# Altium PCB FX_PCB.PcbDoc (part 3 of 7)
Units mil, origin at the board's own origin, x right, y up, seen from the top; angles counter-clockwise.
Board outline 5533 x 3907 mil, 2 copper layers (Top Layer, Bottom Layer); 117 components, 100 nets, 439 pads, 176 vias.
Unrouted connection lines stored in the file: 106.
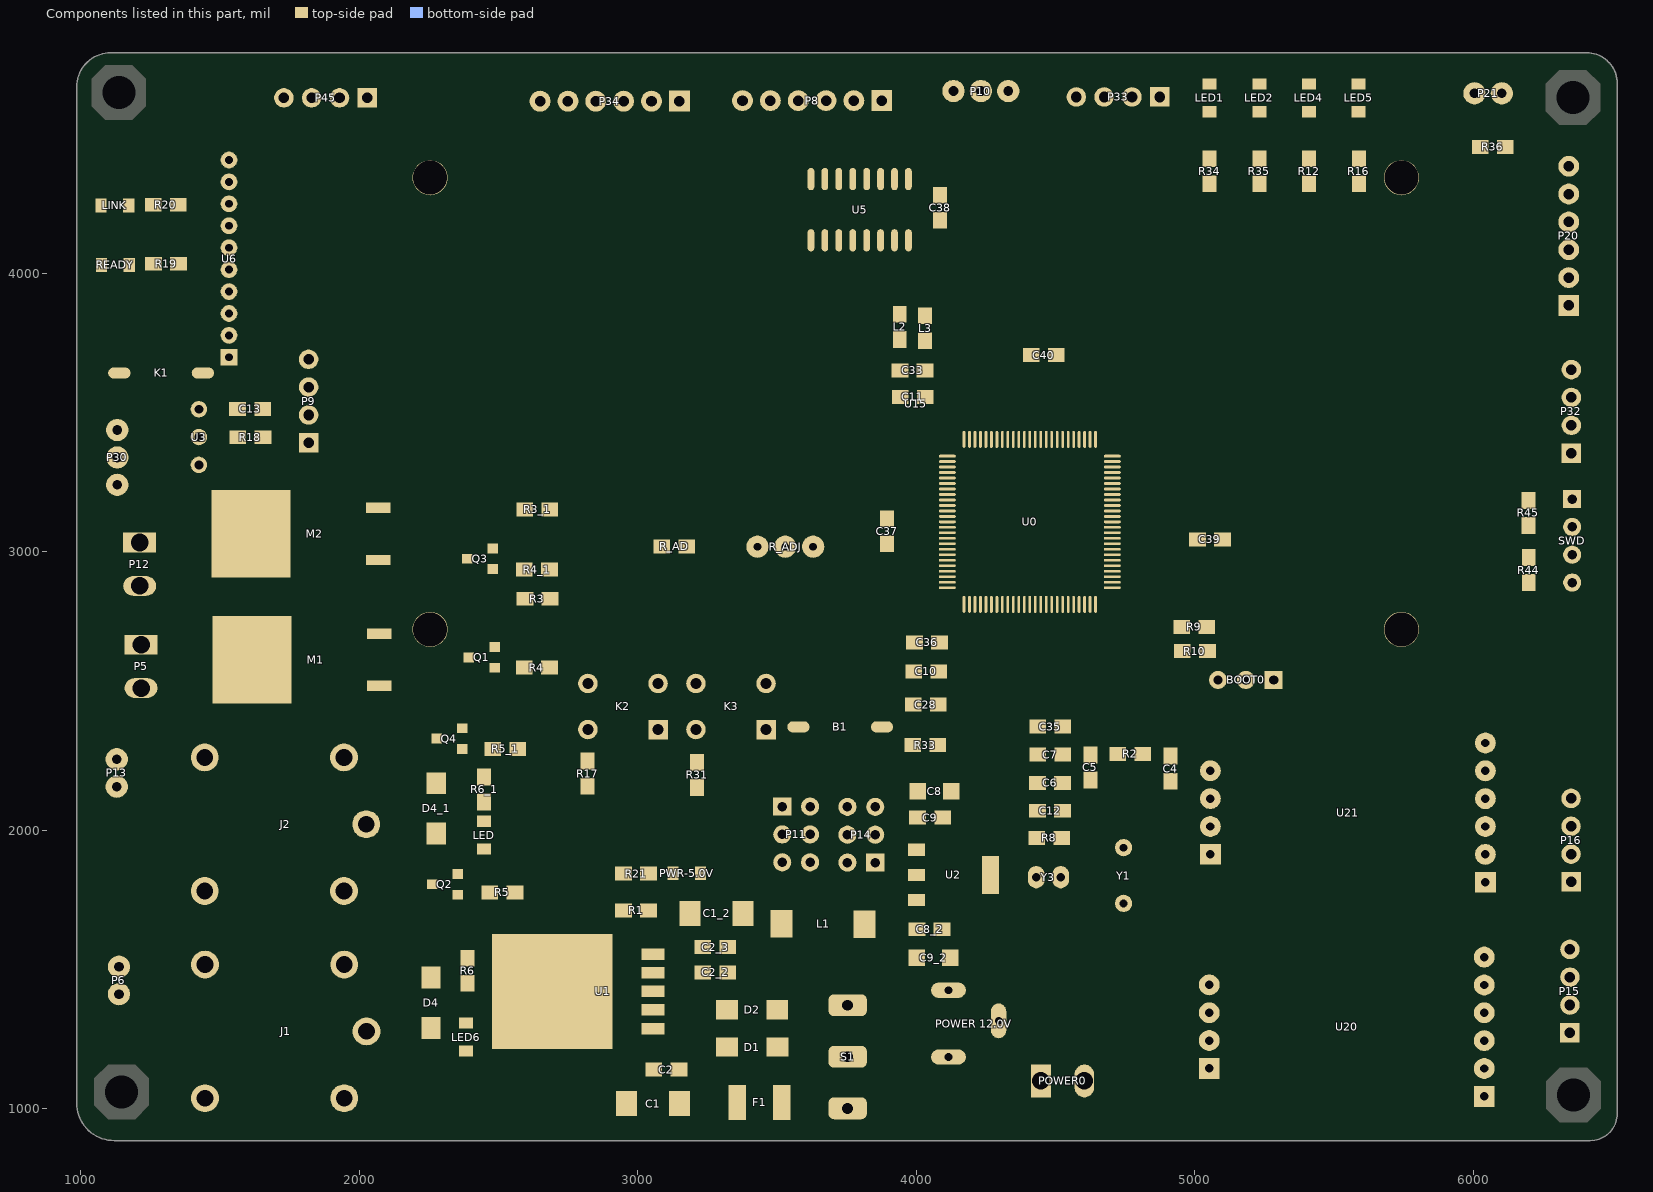
[diagram p3: the components of this part, seen from the top]

## Via types
v1: diameter 30, hole 15, Top Layer to Bottom Layer, 104 vias
v2: diameter 40, hole 18, Top Layer to Bottom Layer, 62 vias
v3: diameter 50, hole 28, Top Layer to Bottom Layer, 7 vias
v4: diameter 50, hole 23, Top Layer to Bottom Layer, 3 vias

## Nets (pads, with @x,y where several pads share a name; then routed paths per layer and width w, separated by ;. In a path a pad name is that pad's centre, name@x,y a point inside that pad or via, vN(x,y) a via of type N, cw(c..) or ccw(c..) an arc to the next point about the centre after c; other vN are vias at no path point) (continued)
copper on no net: (continued)
  Top Layer w0.85: 2903.55,3781.55 2908.65,3781.55 ; 2903.55,3824.05 2909.5,3824.05 ; 2904.4,3463.65 2909.5,3463.65 ; 2904.4,3464.5 2908.65,3464.5 ; 2904.4,3503.6 2910.35,3503.6 ; 2904.4,3568.2 2909.5,3568.2 ; 2904.4,3569.05 2909.5,3569.05 ; 2904.4,3598.8 2909.5,3598.8 ; 2904.4,3599.65 2908.65,3599.65 ; 2904.4,3710.15 2908.65,3710.15 ; 2904.4,3711 2909.5,3711 ; 2904.4,3742.45 2908.65,3742.45 ; 2904.4,3743.3 2909.5,3743.3 ; 2904.4,3782.4 2909.5,3782.4 ; 2904.4,3783.25 2909.5,3783.25 ; 2904.4,3824.9 2910.35,3824.9 ; 2904.4,3825.75 2910.35,3825.75 ; 2905.25,3461.95 3043.8,3461.95 ; 2905.25,3462.8 2910.35,3462.8 ; 2905.25,3501.9 2911.2,3501.9 ; 2905.25,3502.75 2911.2,3502.75 ; 2905.25,3566.5 2910.35,3566.5 ; 2905.25,3567.35 2910.35,3567.35 ; 2905.25,3597.1 2910.35,3597.1 ; 2905.25,3597.95 2910.35,3597.95 ; 2905.25,3711.85 2909.5,3711.85 ; 2905.25,3712.7 2910.35,3712.7 ; 2905.25,3744.15 2910.35,3744.15 ; 2905.25,3745 2910.35,3745 ; 2905.25,3784.1 2910.35,3784.1 ; 2905.25,3784.95 2910.35,3784.95 ; 2905.25,3826.6 2911.2,3826.6 ; 2906.1,3461.1 3049.75,3461.1 ; 2906.1,3501.05 2912.05,3501.05 ; 2906.1,3565.65 2911.2,3565.65 ; 2906.1,3596.25 2911.2,3596.25 ; 2906.1,3713.55 2911.2,3713.55 ; 2906.1,3714.4 2911.2,3714.4 ; 2906.1,3745.85 2911.2,3745.85 ; 2906.1,3785.8 2911.2,3785.8 ; 2906.1,3827.45 2911.2,3827.45 ; 2906.1,3828.3 2952,3828.3 ; 2906.95,3459.4 3041.25,3459.4 ; 2906.95,3460.25 3043.8,3460.25 ; 2906.95,3499.35 2912.9,3499.35 ; 2906.95,3500.2 2912.05,3500.2 ; 2906.95,3563.95 2912.05,3563.95 ; 2906.95,3564.8 2912.05,3564.8 ; 2906.95,3594.55 2912.05,3594.55 ; 2906.95,3595.4 2912.05,3595.4 ; 2906.95,3715.25 2912.05,3715.25 ; 2906.95,3746.7 2911.2,3746.7 ; 2906.95,3747.55 2912.05,3747.55 ; 2906.95,3786.65 2911.2,3786.65 ; 2906.95,3787.5 2912.05,3787.5 ; 2906.95,3829.15 2957.95,3829.15 ; 2907.8,3458.55 2974.95,3458.55 ; 2907.8,3498.5 2912.9,3498.5 ; 2907.8,3563.1 2912.9,3563.1 ; 2907.8,3593.7 2912.9,3593.7 ; 2907.8,3716.1 2912.05,3716.1 ; 2907.8,3716.95 2912.9,3716.95 ; 2907.8,3748.4 2912.05,3748.4 ; 2907.8,3749.25 2912.9,3749.25 ; 2907.8,3788.35 2912.9,3788.35 ; 2907.8,3789.2 2912.9,3789.2 ; 2907.8,3830 2911.2,3830 ; 2908.65,3496.8 2914.6,3496.8 ; 2908.65,3497.65 2913.75,3497.65 ; 2908.65,3561.4 2913.75,3561.4 ; 2908.65,3562.25 2912.9,3562.25 ; 2908.65,3592 2913.75,3592 ; 2908.65,3592.85 2912.9,3592.85 ; 2908.65,3717.8 2913.75,3717.8 ; 2908.65,3718.65 2913.75,3718.65 ; 2908.65,3750.1 2913.75,3750.1 ; 2908.65,3750.95 2913.75,3750.95 ; 2908.65,3790.05 2913.75,3790.05 ; 2909.5,3495.95 2914.6,3495.95 ; 2909.5,3559.7 2914.6,3559.7 ; 2909.5,3560.55 2914.6,3560.55 ; 2909.5,3590.3 2914.6,3590.3 ; 2909.5,3591.15 2914.6,3591.15 ; 2909.5,3719.5 2914.6,3719.5 ; 2909.5,3720.35 2914.6,3720.35 ; 2909.5,3751.8 2914.6,3751.8 ; 2909.5,3790.9 2913.75,3790.9 ; 2909.5,3791.75 2914.6,3791.75 ; 2910.35,3494.25 2916.3,3494.25 ; 2910.35,3495.1 2915.45,3495.1 ; 2910.35,3558.85 2915.45,3558.85 ; 2910.35,3589.45 2915.45,3589.45 ; 2910.35,3721.2 2915.45,3721.2 ; 2910.35,3752.65 2914.6,3752.65 ; 2910.35,3753.5 2915.45,3753.5 ; 2910.35,3792.6 2915.45,3792.6 ; 2910.35,3793.45 2915.45,3793.45 ; 2911.2,3493.4 2916.3,3493.4 ; 2911.2,3557.15 2916.3,3557.15 ; 2911.2,3558 2916.3,3558 ; 2911.2,3587.75 2916.3,3587.75 ; 2911.2,3588.6 2916.3,3588.6 ; 2911.2,3722.05 2915.45,3722.05 ; 2911.2,3722.9 2916.3,3722.9 ; 2911.2,3754.35 2915.45,3754.35 ; 2911.2,3755.2 2916.3,3755.2 ; 2911.2,3794.3 2916.3,3794.3 ; 2911.2,3795.15 2916.3,3795.15 ; 2912.05,3491.7 2918,3491.7 ; 2912.05,3492.55 2917.15,3492.55 ; 2912.05,3555.45 2917.15,3555.45 ; 2912.05,3556.3 2917.15,3556.3 ; 2912.05,3586.9 2917.15,3586.9 ; 2912.05,3723.75 2917.15,3723.75 ; 2912.05,3724.6 2917.15,3724.6 ; 2912.05,3756.05 2917.15,3756.05 ; 2912.05,3756.9 2917.15,3756.9 ; 2912.05,3796 2917.15,3796 ; 2912.05,3830 2949.45,3830 ; 2912.9,3490.85 2918,3490.85 ; 2912.9,3554.6 2918,3554.6 ; 2912.9,3585.2 2918,3585.2 ; 2912.9,3586.05 2917.15,3586.05 ; 2912.9,3725.45 2918,3725.45 ; 2912.9,3757.75 2918,3757.75 ; 2912.9,3796.85 2917.15,3796.85 ; 2912.9,3797.7 2918,3797.7 ; 2913.75,3489.15 2919.7,3489.15 ; 2913.75,3490 2918.85,3490 ; 2913.75,3552.9 2918.85,3552.9 ; 2913.75,3553.75 2918.85,3553.75 ; 2913.75,3583.5 2918.85,3583.5 ; 2913.75,3584.35 2918.85,3584.35 ; 2913.75,3726.3 2918,3726.3 ; 2913.75,3727.15 2918.85,3727.15 ; 2913.75,3758.6 2918,3758.6 ; 2913.75,3759.45 2918.85,3759.45 ; 2913.75,3798.55 2918.85,3798.55 ; 2913.75,3799.4 2918.85,3799.4 ; 2914.6,3488.3 2919.7,3488.3 ; 2914.6,3552.05 2919.7,3552.05 ; 2914.6,3582.65 2919.7,3582.65 ; 2914.6,3728 2918.85,3728 ; 2914.6,3728.85 2919.7,3728.85 ; 2914.6,3760.3 2918.85,3760.3 ; 2914.6,3761.15 2919.7,3761.15 ; 2914.6,3800.25 2919.7,3800.25 ; 2915.45,3486.6 2920.55,3486.6 ; 2915.45,3487.45 2920.55,3487.45 ; 2915.45,3550.35 2920.55,3550.35 ; 2915.45,3551.2 2919.7,3551.2 ; 2915.45,3580.95 2920.55,3580.95 ; 2915.45,3581.8 2920.55,3581.8 ; 2915.45,3729.7 2920.55,3729.7 ; 2915.45,3730.55 2920.55,3730.55 ; 2915.45,3762 2920.55,3762 ; 2915.45,3762.85 2920.55,3762.85 ; 2915.45,3801.1 2919.7,3801.1 ; 2915.45,3801.95 2920.55,3801.95 ; 2916.3,3485.75 3065.05,3485.75 ; 2916.3,3548.65 2921.4,3548.65 ; 2916.3,3549.5 2921.4,3549.5 ; 2916.3,3580.1 2921.4,3580.1 ; 2916.3,3731.4 2921.4,3731.4 ; 2916.3,3763.7 2921.4,3763.7 ; 2916.3,3802.8 2921.4,3802.8 ; 2916.3,3803.65 2921.4,3803.65 ; 2917.15,3484.9 3064.2,3484.9 ; 2917.15,3547.8 2922.25,3547.8 ; 2917.15,3578.4 2922.25,3578.4 ; 2917.15,3579.25 2921.4,3579.25 ; 2917.15,3732.25 2921.4,3732.25 ; 2917.15,3733.1 2922.25,3733.1 ; 2917.15,3764.55 2921.4,3764.55 ; 2917.15,3765.4 2922.25,3765.4 ; 2917.15,3804.5 2922.25,3804.5 ; 2917.15,3805.35 2922.25,3805.35 ; 2918,3546.1 2923.1,3546.1 ; 2918,3546.95 2923.1,3546.95 ; 2918,3576.7 2923.1,3576.7 ; 2918,3577.55 2923.1,3577.55 ; 2918,3733.95 2922.25,3733.95 ; 2918,3734.8 2923.1,3734.8 ; 2918,3766.25 2922.25,3766.25 ; 2918,3767.1 2923.1,3767.1 ; 2918,3806.2 2924.8,3806.2 ; 2918.85,3483.2 3063.35,3483.2 ; 2918.85,3484.05 3063.35,3484.05 ; 2918.85,3544.4 2923.95,3544.4 ; 2918.85,3545.25 2923.95,3545.25 ; 2918.85,3575.85 2923.95,3575.85 ; 2918.85,3735.65 2923.95,3735.65 ; 2918.85,3736.5 2923.95,3736.5 ; 2918.85,3767.95 2923.1,3767.95 ; 2918.85,3768.8 2923.95,3768.8 ; 2918.85,3807.05 2944.35,3807.05 ; 2918.85,3807.9 2939.25,3807.9 ; 2919.7,3482.35 3062.5,3482.35 ; 2919.7,3543.55 2924.8,3543.55 ; 2919.7,3574.15 2924.8,3574.15 ; 2919.7,3575 2924.8,3575 ; 2919.7,3737.35 2924.8,3737.35 ; 2919.7,3769.65 2924.8,3769.65 ; 2919.7,3808.75 2946.05,3808.75 ; 2920.55,3524.85 2936.7,3524.85 ; 2920.55,3541.85 2925.65,3541.85 ; 2920.55,3542.7 2925.65,3542.7 ; 2920.55,3573.3 2925.65,3573.3 ; 2920.55,3738.2 2924.8,3738.2 ; 2920.55,3739.05 2925.65,3739.05 ; 2920.55,3770.5 2924.8,3770.5 ; 2920.55,3771.35 2925.65,3771.35 ; 2921.4,3525.7 2935.85,3525.7 ; 2921.4,3541 2926.5,3541 ; 2921.4,3571.6 2926.5,3571.6 ; 2921.4,3572.45 2925.65,3572.45 ; 2921.4,3739.9 2926.5,3739.9 ; 2921.4,3740.75 2926.5,3740.75 ; 2921.4,3772.2 2925.65,3772.2 ; 2921.4,3773.05 2926.5,3773.05 ; 2922.25,3539.3 2927.35,3539.3 ; 2922.25,3540.15 2927.35,3540.15 ; 2922.25,3569.9 2927.35,3569.9 ; 2922.25,3570.75 2927.35,3570.75 ; 2922.25,3741.6 2927.35,3741.6 ; 2922.25,3773.9 2926.5,3773.9 ; 2922.25,3774.75 2927.35,3774.75 ; 2923.1,3537.6 2928.2,3537.6 ; 2923.1,3538.45 2928.2,3538.45 ; 2923.1,3569.05 2928.2,3569.05 ; 2923.1,3742.45 2927.35,3742.45 ; 2923.1,3743.3 2928.2,3743.3 ; 2923.1,3775.6 2928.2,3775.6 ; 2923.1,3776.45 2928.2,3776.45 ; 2923.95,3536.75 2929.05,3536.75 ; 2923.95,3567.35 2929.05,3567.35 ; 2923.95,3568.2 2929.05,3568.2 ; 2923.95,3744.15 2928.2,3744.15 ; 2923.95,3745 2929.05,3745 ; 2923.95,3777.3 2929.05,3777.3 ; 2924.8,3535.05 2929.9,3535.05 ; 2924.8,3535.9 2929.9,3535.9 ; 2924.8,3566.5 2929.9,3566.5 ; 2924.8,3745.85 2929.9,3745.85 ; 2924.8,3746.7 2929.9,3746.7 ; 2924.8,3778.15 2929.05,3778.15 ; 2924.8,3779 2929.9,3779 ; 2925.65,3534.2 2930.75,3534.2 ; 2925.65,3564.8 2930.75,3564.8 ; 2925.65,3565.65 2929.9,3565.65 ; 2925.65,3747.55 2930.75,3747.55 ; 2925.65,3779.85 2929.9,3779.85 ; 2925.65,3780.7 2930.75,3780.7 ; 2925.65,3806.2 2944.35,3806.2 ; 2926.5,3532.5 2931.6,3532.5 ; 2926.5,3533.35 2930.75,3533.35 ; 2926.5,3563.1 2931.6,3563.1 ; 2926.5,3563.95 2931.6,3563.95 ; 2926.5,3748.4 2930.75,3748.4 ; 2926.5,3749.25 2931.6,3749.25 ; 2926.5,3781.55 2931.6,3781.55 ; 2926.5,3782.4 2931.6,3782.4 ; 2927.35,3526.55 2935,3526.55 ; 2927.35,3530.8 2932.45,3530.8 ; 2927.35,3531.65 2932.45,3531.65 ; 2927.35,3562.25 2932.45,3562.25 ; 2927.35,3750.1 2931.6,3750.1 ; 2927.35,3750.95 2932.45,3750.95 ; 2927.35,3783.25 2932.45,3783.25 ; 2928.2,3529.95 2933.3,3529.95 ; 2928.2,3560.55 2933.3,3560.55 ; 2928.2,3561.4 2933.3,3561.4 ; 2928.2,3751.8 2933.3,3751.8 ; 2928.2,3752.65 2933.3,3752.65 ; 2928.2,3784.1 2932.45,3784.1 ; 2928.2,3784.95 2933.3,3784.95 ; 2929.05,3528.25 2934.15,3528.25 ; 2929.05,3529.1 2934.15,3529.1 ; 2929.05,3559.7 2934.15,3559.7 ; 2929.05,3753.5 2934.15,3753.5 ; 2929.05,3785.8 2933.3,3785.8 ; 2929.05,3786.65 2934.15,3786.65 ; 2929.9,3527.4 2935,3527.4 ; 2929.9,3558 2935,3558 ; 2929.9,3558.85 2934.15,3558.85 ; 2929.9,3754.35 2934.15,3754.35 ; 2929.9,3755.2 2935,3755.2 ; 2929.9,3787.5 2935,3787.5 ; 2929.9,3788.35 2935,3788.35 ; 2930.75,3510.4 2938.4,3510.4 ; 2930.75,3556.3 2935.85,3556.3 ; 2930.75,3557.15 2935.85,3557.15 ; 2930.75,3756.05 2935.85,3756.05 ; 2930.75,3756.9 2935.85,3756.9 ; 2930.75,3789.2 2935.85,3789.2 ; 2931.6,3511.25 2935,3511.25 ; 2931.6,3555.45 2936.7,3555.45 ; 2931.6,3757.75 2936.7,3757.75 ; 2931.6,3758.6 2936.7,3758.6 ; 2931.6,3790.05 2935.85,3790.05 ; 2931.6,3790.9 2936.7,3790.9 ; 2932.45,3553.75 2937.55,3553.75 ; 2932.45,3554.6 2937.55,3554.6 ; 2932.45,3759.45 2937.55,3759.45 ; 2932.45,3791.75 2936.7,3791.75 ; 2932.45,3792.6 2937.55,3792.6 ; 2933.3,3521.45 2938.4,3521.45 ; 2933.3,3522.3 2937.55,3522.3 ; 2933.3,3552.9 2938.4,3552.9 ; 2933.3,3760.3 2937.55,3760.3 ; 2933.3,3761.15 2938.4,3761.15 ; 2933.3,3793.45 2938.4,3793.45 ; 2933.3,3794.3 2938.4,3794.3 ; 2933.3,3795.15 2939.25,3795.15 ; 2933.3,3796 2939.25,3796 ; 2934.15,3519.75 2939.25,3519.75 ; 2934.15,3520.6 2939.25,3520.6 ; 2934.15,3551.2 2939.25,3551.2 ; 2934.15,3552.05 2938.4,3552.05 ; 2934.15,3762 2939.25,3762 ; 2934.15,3762.85 2939.25,3762.85 ; 2934.15,3796.85 2940.1,3796.85 ; 2935,3518.9 2940.1,3518.9 ; 2935,3549.5 2940.1,3549.5 ; 2935,3550.35 2940.1,3550.35 ; 2935,3763.7 2940.1,3763.7 ; 2935,3797.7 2940.1,3797.7 ; 2935,3798.55 2940.1,3798.55 ; 2935.85,3517.2 2940.95,3517.2 ; 2935.85,3518.05 2940.95,3518.05 ; 2935.85,3548.65 2940.95,3548.65 ; 2935.85,3764.55 2940.1,3764.55 ; 2935.85,3765.4 2940.95,3765.4 ; 2935.85,3799.4 2940.1,3799.4 ; 2935.85,3800.25 2940.1,3800.25 ; 2936.7,3515.5 2941.8,3515.5 ; 2936.7,3516.35 2941.8,3516.35 ; 2936.7,3546.95 2941.8,3546.95 ; 2936.7,3547.8 2941.8,3547.8 ; 2936.7,3766.25 2940.95,3766.25 ; 2936.7,3767.1 2941.8,3767.1 ; 2936.7,3801.1 2940.95,3801.1 ; 2937.55,3506.15 2947.75,3506.15 ; 2937.55,3514.65 2942.65,3514.65 ; 2937.55,3546.1 2942.65,3546.1 ; 2937.55,3767.95 2942.65,3767.95 ; 2937.55,3768.8 2942.65,3768.8 ; 2937.55,3801.95 2941.8,3801.95 ; 2937.55,3802.8 2941.8,3802.8 ; 2938.4,3512.95 2943.5,3512.95 ; 2938.4,3513.8 2943.5,3513.8 ; 2938.4,3544.4 2943.5,3544.4 ; 2938.4,3545.25 2942.65,3545.25 ; 2938.4,3769.65 2943.5,3769.65 ; 2938.4,3803.65 2942.65,3803.65 ; 2938.4,3804.5 2942.65,3804.5 ; 2939.25,3512.1 2944.35,3512.1 ; 2939.25,3542.7 2944.35,3542.7 ; 2939.25,3543.55 2944.35,3543.55 ; 2939.25,3770.5 2943.5,3770.5 ; 2939.25,3771.35 2944.35,3771.35 ; 2939.25,3805.35 2943.5,3805.35 ; 2940.1,3510.4 2945.2,3510.4 ; 2940.1,3511.25 2945.2,3511.25 ; 2940.1,3541.85 2945.2,3541.85 ; 2940.1,3772.2 2944.35,3772.2 ; 2940.1,3773.05 2945.2,3773.05 ; 2940.1,3807.9 2945.2,3807.9 ; 2940.95,3505.3 2948.6,3505.3 ; 2940.95,3540.15 2946.05,3540.15 ; 2940.95,3541 2946.05,3541 ; 2940.95,3773.9 2946.05,3773.9 ; 2940.95,3774.75 2946.05,3774.75 ; 2941.8,3539.3 2946.9,3539.3 ; 2941.8,3775.6 2946.9,3775.6 ; 2941.8,3809.6 2946.05,3809.6 ; 2942.65,3537.6 2947.75,3537.6 ; 2942.65,3538.45 2946.9,3538.45 ; 2942.65,3776.45 2946.9,3776.45 ; 2942.65,3777.3 2947.75,3777.3 ; 2942.65,3810.45 2946.9,3810.45 ; 2942.65,3811.3 2946.9,3811.3 ; 2943.5,3535.9 2948.6,3535.9 ; 2943.5,3536.75 2948.6,3536.75 ; 2943.5,3778.15 2948.6,3778.15 ; 2943.5,3779 2948.6,3779 ; 2943.5,3812.15 2947.75,3812.15 ; 2944.35,3503.6 2949.45,3503.6 ; 2944.35,3504.45 2948.6,3504.45 ; 2944.35,3535.05 2949.45,3535.05 ; 2944.35,3734.8 2947.75,3734.8 ; 2944.35,3735.65 2947.75,3735.65 ; 2944.35,3736.5 2946.9,3736.5 ; 2944.35,3737.35 2946.9,3737.35 ; 2944.35,3738.2 2946.9,3738.2 ; 2944.35,3739.05 2950.3,3739.05 ; 2944.35,3739.9 2957.1,3739.9 ; 2944.35,3740.75 2963.05,3740.75 ; 2944.35,3779.85 2949.45,3779.85 ; 2944.35,3813 2948.6,3813 ; 2944.35,3813.85 2948.6,3813.85 ; 2945.2,3501.9 2950.3,3501.9 ; 2945.2,3502.75 2950.3,3502.75 ; 2945.2,3533.35 2950.3,3533.35 ; 2945.2,3534.2 2950.3,3534.2 ; 2945.2,3725.45 2948.6,3725.45 ; 2945.2,3726.3 2948.6,3726.3 ; 2945.2,3727.15 2947.75,3727.15 ; 2945.2,3728 2947.75,3728 ; 2945.2,3728.85 2947.75,3728.85 ; 2945.2,3729.7 2947.75,3729.7 ; 2945.2,3730.55 2947.75,3730.55 ; 2945.2,3731.4 2947.75,3731.4 ; 2945.2,3732.25 2947.75,3732.25 ; 2945.2,3733.1 2947.75,3733.1 ; 2945.2,3733.95 2947.75,3733.95 ; 2945.2,3780.7 2949.45,3780.7 ; 2945.2,3781.55 2950.3,3781.55 ; 2945.2,3814.7 2949.45,3814.7 ; 2946.05,3501.05 2951.15,3501.05 ; 2946.05,3532.5 2951.15,3532.5 ; 2946.05,3716.95 2949.45,3716.95 ; 2946.05,3717.8 2948.6,3717.8 ; 2946.05,3718.65 2948.6,3718.65 ; 2946.05,3719.5 2948.6,3719.5 ; 2946.05,3720.35 2948.6,3720.35 ; 2946.05,3721.2 2948.6,3721.2 ; 2946.05,3722.05 2948.6,3722.05 ; 2946.05,3722.9 2948.6,3722.9 ; 2946.05,3723.75 2948.6,3723.75 ; 2946.05,3724.6 2948.6,3724.6 ; 2946.05,3782.4 2950.3,3782.4 ; 2946.05,3783.25 2951.15,3783.25 ; 2946.05,3815.55 2949.45,3815.55 ; 2946.05,3816.4 2950.3,3816.4 ; 2946.9,3499.35 2952,3499.35 ; 2946.9,3500.2 2952,3500.2 ; 2946.9,3530.8 2952,3530.8 ; 2946.9,3531.65 2951.15,3531.65 ; 2946.9,3706.75 2950.3,3706.75 ; 2946.9,3707.6 2950.3,3707.6 ; 2946.9,3708.45 2949.45,3708.45 ; 2946.9,3709.3 2949.45,3709.3 ; 2946.9,3710.15 2949.45,3710.15 ; 2946.9,3711 2949.45,3711 ; 2946.9,3711.85 2949.45,3711.85 ; 2946.9,3712.7 2949.45,3712.7 ; 2946.9,3713.55 2949.45,3713.55 ; 2946.9,3714.4 2949.45,3714.4 ; 2946.9,3715.25 2949.45,3715.25 ; 2946.9,3716.1 2949.45,3716.1 ; 2946.9,3784.1 2952,3784.1 ; 2946.9,3784.95 2952,3784.95 ; 2946.9,3817.25 2951.15,3817.25 ; 2946.9,3818.1 2951.15,3818.1 ; 2947.75,3497.65 2952.85,3497.65 ; 2947.75,3498.5 2952.85,3498.5 ; 2947.75,3529.1 2952.85,3529.1 ; 2947.75,3529.95 2952.85,3529.95 ; 2947.75,3698.25 2951.15,3698.25 ; 2947.75,3699.1 2950.3,3699.1 ; 2947.75,3699.95 2950.3,3699.95 ; 2947.75,3700.8 2950.3,3700.8 ; 2947.75,3701.65 2950.3,3701.65 ; 2947.75,3702.5 2950.3,3702.5 ; 2947.75,3703.35 2950.3,3703.35 ; 2947.75,3704.2 2950.3,3704.2 ; 2947.75,3705.05 2950.3,3705.05 ; 2947.75,3705.9 2950.3,3705.9 ; 2947.75,3785.8 2952.85,3785.8 ; 2947.75,3818.95 2952,3818.95 ; 2948.6,3496.8 2953.7,3496.8 ; 2948.6,3528.25 3090.55,3528.25 ; 2948.6,3688.9 2951.15,3688.9 ; 2948.6,3689.75 2951.15,3689.75 ; 2948.6,3690.6 2951.15,3690.6 ; 2948.6,3691.45 2951.15,3691.45 ; 2948.6,3692.3 2951.15,3692.3 ; 2948.6,3693.15 2951.15,3693.15 ; 2948.6,3694 2951.15,3694 ; 2948.6,3694.85 2951.15,3694.85 ; 2948.6,3695.7 2951.15,3695.7 ; 2948.6,3696.55 2951.15,3696.55 ; 2948.6,3697.4 2951.15,3697.4 ; 2948.6,3786.65 2952.85,3786.65 ; 2948.6,3787.5 2953.7,3787.5 ; 2948.6,3819.8 2952,3819.8 ; 2948.6,3820.65 2952.85,3820.65 ; 2949.45,3495.1 2954.55,3495.1 ; 2949.45,3495.95 2954.55,3495.95 ; 2949.45,3526.55 3089.7,3526.55 ; 2949.45,3527.4 3090.55,3527.4 ; 2949.45,3679.55 2952,3679.55 ; 2949.45,3680.4 2952,3680.4 ; 2949.45,3681.25 2952,3681.25 ; 2949.45,3682.1 2952,3682.1 ; 2949.45,3682.95 2952,3682.95 ; 2949.45,3683.8 2952,3683.8 ; 2949.45,3684.65 2952,3684.65 ; 2949.45,3685.5 2952,3685.5 ; 2949.45,3686.35 2952,3686.35 ; 2949.45,3687.2 2952,3687.2 ; 2949.45,3688.05 2952,3688.05 ; 2949.45,3741.6 2969.85,3741.6 ; 2949.45,3788.35 2953.7,3788.35 ; 2949.45,3789.2 2954.55,3789.2 ; 2949.45,3821.5 2953.7,3821.5 ; 2949.45,3822.35 2953.7,3822.35 ; 2950.3,3494.25 2955.4,3494.25 ; 2950.3,3525.7 3088.85,3525.7 ; 2950.3,3669.35 2953.7,3669.35 ; 2950.3,3670.2 2953.7,3670.2 ; 2950.3,3671.05 2952.85,3671.05 ; 2950.3,3671.9 2952.85,3671.9 ; 2950.3,3672.75 2952.85,3672.75 ; 2950.3,3673.6 2952.85,3673.6 ; 2950.3,3674.45 2952.85,3674.45 ; 2950.3,3675.3 2952.85,3675.3 ; 2950.3,3676.15 2952.85,3676.15 ; 2950.3,3677 2952.85,3677 ; 2950.3,3677.85 2952.85,3677.85 ; 2950.3,3678.7 2952.85,3678.7 ; 2950.3,3790.05 2955.4,3790.05 ; 2950.3,3790.9 2955.4,3790.9 ; 2950.3,3823.2 2954.55,3823.2 ; 2951.15,3492.55 2956.25,3492.55 ; 2951.15,3493.4 2955.4,3493.4 ; 2951.15,3524 2956.25,3524 ; 2951.15,3524.85 3088.85,3524.85 ; 2951.15,3660 2954.55,3660 ; 2951.15,3660.85 2954.55,3660.85 ; 2951.15,3661.7 2953.7,3661.7 ; 2951.15,3662.55 2953.7,3662.55 ; 2951.15,3663.4 2953.7,3663.4 ; 2951.15,3664.25 2953.7,3664.25 ; 2951.15,3665.1 2953.7,3665.1 ; 2951.15,3665.95 2953.7,3665.95 ; 2951.15,3666.8 2953.7,3666.8 ; 2951.15,3667.65 2953.7,3667.65 ; 2951.15,3668.5 2953.7,3668.5 ; 2951.15,3791.75 2957.1,3791.75 ; 2951.15,3824.05 2954.55,3824.05 ; 2951.15,3824.9 2955.4,3824.9 ; 2951.15,3830 2952.85,3830 ; 2952,3490.85 2957.1,3490.85 ; 2952,3491.7 2957.1,3491.7 ; 2952,3522.3 2957.1,3522.3 ; 2952,3523.15 2957.1,3523.15 ; 2952,3650.65 2955.4,3650.65 ; 2952,3651.5 2955.4,3651.5 ; 2952,3652.35 2954.55,3652.35 ; 2952,3653.2 2954.55,3653.2 ; 2952,3654.05 2954.55,3654.05 ; 2952,3654.9 2954.55,3654.9 ; 2952,3655.75 2954.55,3655.75 ; 2952,3656.6 2954.55,3656.6 ; 2952,3657.45 2954.55,3657.45 ; 2952,3658.3 2954.55,3658.3 ; 2952,3659.15 2954.55,3659.15 ; 2952,3792.6 2957.95,3792.6 ; 2952,3793.45 2957.95,3793.45 ; 2952,3825.75 2956.25,3825.75 ; 2952.85,3490 2957.95,3490 ; 2952.85,3521.45 2957.95,3521.45 ; 2952.85,3642.15 2955.4,3642.15 ; 2952.85,3643 2955.4,3643 ; 2952.85,3643.85 2955.4,3643.85 ; 2952.85,3644.7 2955.4,3644.7 ; 2952.85,3645.55 2955.4,3645.55 ; 2952.85,3646.4 2955.4,3646.4 ; 2952.85,3647.25 2955.4,3647.25 ; 2952.85,3648.1 2955.4,3648.1 ; 2952.85,3648.95 2955.4,3648.95 ; 2952.85,3649.8 2955.4,3649.8 ; 2952.85,3794.3 2958.8,3794.3 ; 2952.85,3795.15 2958.8,3795.15 ; 2952.85,3826.6 2956.25,3826.6 ; 2952.85,3827.45 2957.1,3827.45 ; 2952.85,3828.3 2957.95,3828.3 ; 2953.7,3488.3 2958.8,3488.3 ; 2953.7,3489.15 2958.8,3489.15 ; 2953.7,3519.75 2958.8,3519.75 ; 2953.7,3520.6 2958.8,3520.6 ; 2953.7,3631.95 2996.2,3631.95 ; 2953.7,3632.8 3032.75,3632.8 ; 2953.7,3633.65 2957.1,3633.65 ; 2953.7,3634.5 2956.25,3634.5 ; 2953.7,3635.35 2956.25,3635.35 ; 2953.7,3636.2 2956.25,3636.2 ; 2953.7,3637.05 2956.25,3637.05 ; 2953.7,3637.9 2956.25,3637.9 ; 2953.7,3638.75 2956.25,3638.75 ; 2953.7,3639.6 2956.25,3639.6 ; 2953.7,3640.45 2956.25,3640.45 ; 2953.7,3641.3 2956.25,3641.3 ; 2953.7,3796 2959.65,3796 ; 2953.7,3796.85 2959.65,3796.85 ; 2953.7,3830 2958.8,3830 ; 2954.55,3486.6 2959.65,3486.6 ; 2954.55,3487.45 2959.65,3487.45 ; 2954.55,3518.9 2959.65,3518.9 ; 2954.55,3631.1 2957.95,3631.1 ; 2954.55,3797.7 2960.5,3797.7 ; 2955.4,3517.2 2960.5,3517.2 ; 2955.4,3518.05 2959.65,3518.05 ; 2955.4,3734.8 2975.8,3734.8 ; 2955.4,3735.65 2991.1,3735.65 ; 2955.4,3798.55 2961.35,3798.55 ; 2955.4,3799.4 2961.35,3799.4 ; 2955.4,3830.85 2958.8,3830.85 ; 2955.4,3831.7 2959.65,3831.7 ; 2956.25,3515.5 2961.35,3515.5 ; 2956.25,3516.35 2961.35,3516.35 ; 2956.25,3727.15 2959.65,3727.15 ; 2956.25,3728 2958.8,3728 ; 2956.25,3728.85 2958.8,3728.85 ; 2956.25,3729.7 2958.8,3729.7 ; 2956.25,3730.55 2958.8,3730.55 ; 2956.25,3731.4 2958.8,3731.4 ; 2956.25,3732.25 2958.8,3732.25 ; 2956.25,3733.1 2958.8,3733.1 ; 2956.25,3733.95 2960.5,3733.95 ; 2956.25,3742.45 2976.65,3742.45 ; 2956.25,3800.25 2962.2,3800.25 ; 2956.25,3832.55 2960.5,3832.55 ; 2956.25,3833.4 2960.5,3833.4 ; 2957.1,3514.65 2962.2,3514.65 ; 2957.1,3720.35 2960.5,3720.35 ; 2957.1,3721.2 2959.65,3721.2 ; 2957.1,3722.05 2959.65,3722.05 ; 2957.1,3722.9 2959.65,3722.9 ; 2957.1,3723.75 2959.65,3723.75 ; 2957.1,3724.6 2959.65,3724.6 